# KiCad board panel.kicad_pcb
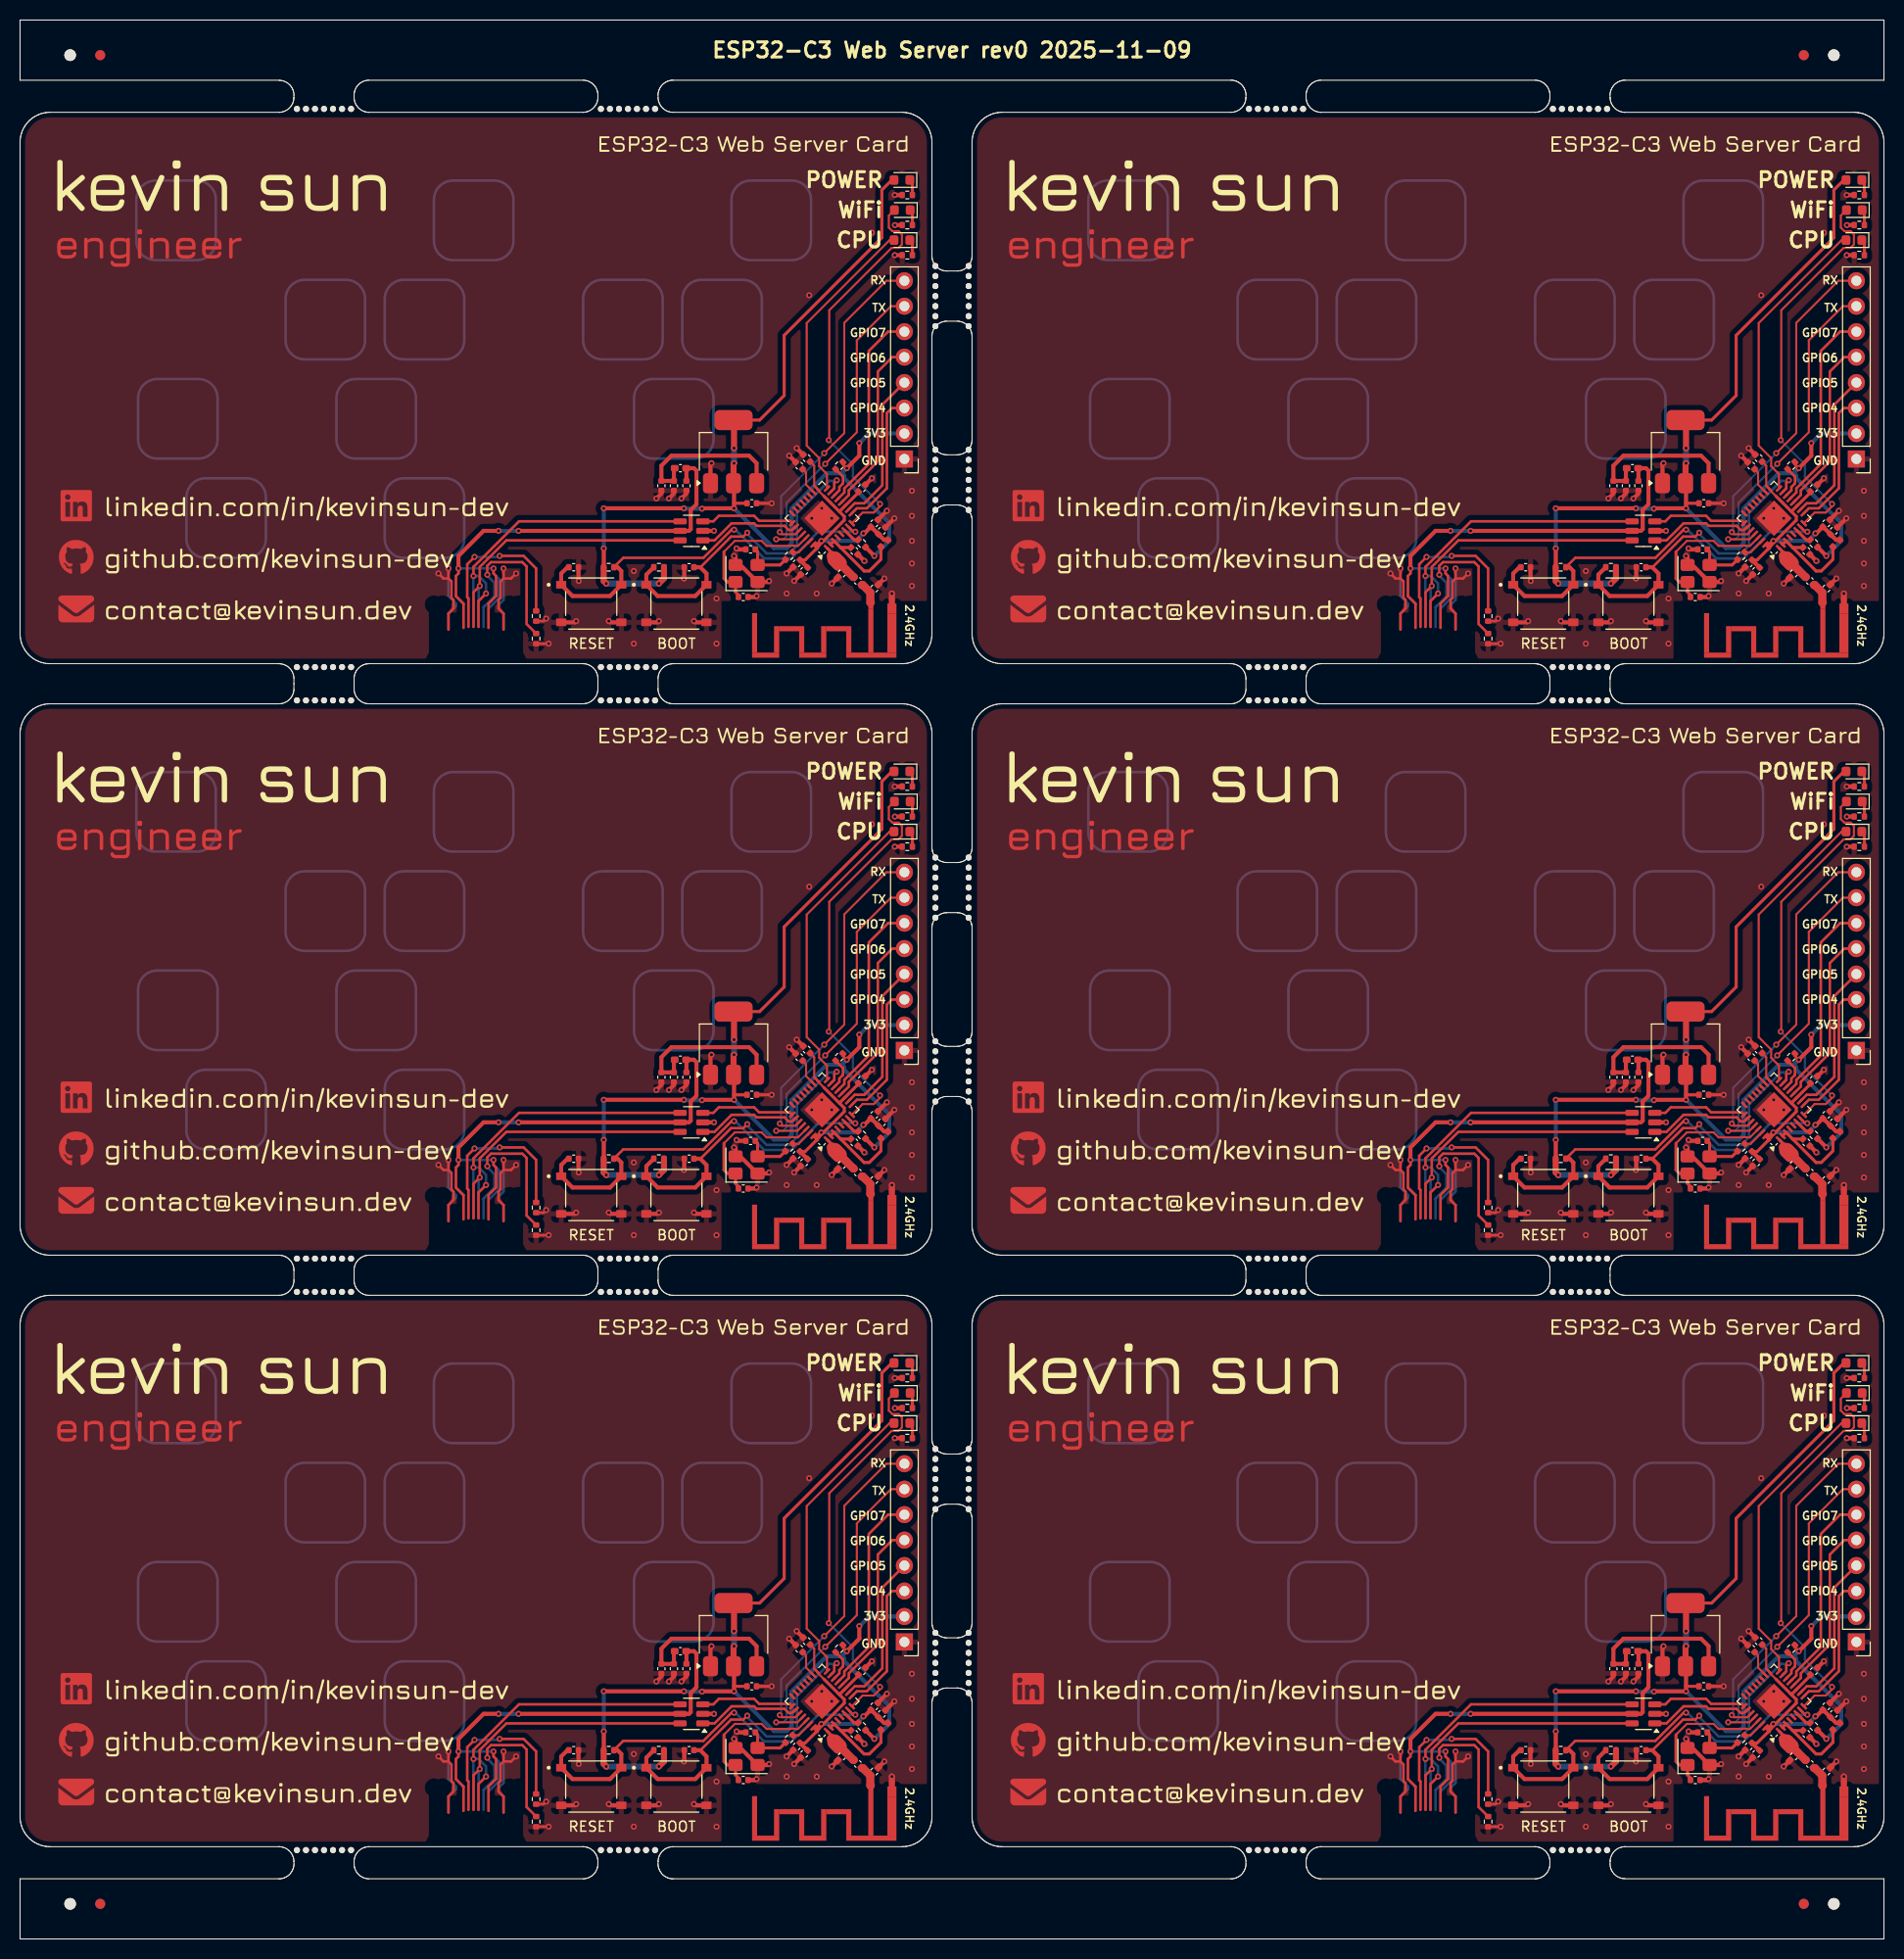
[diagram p0: board, top side]
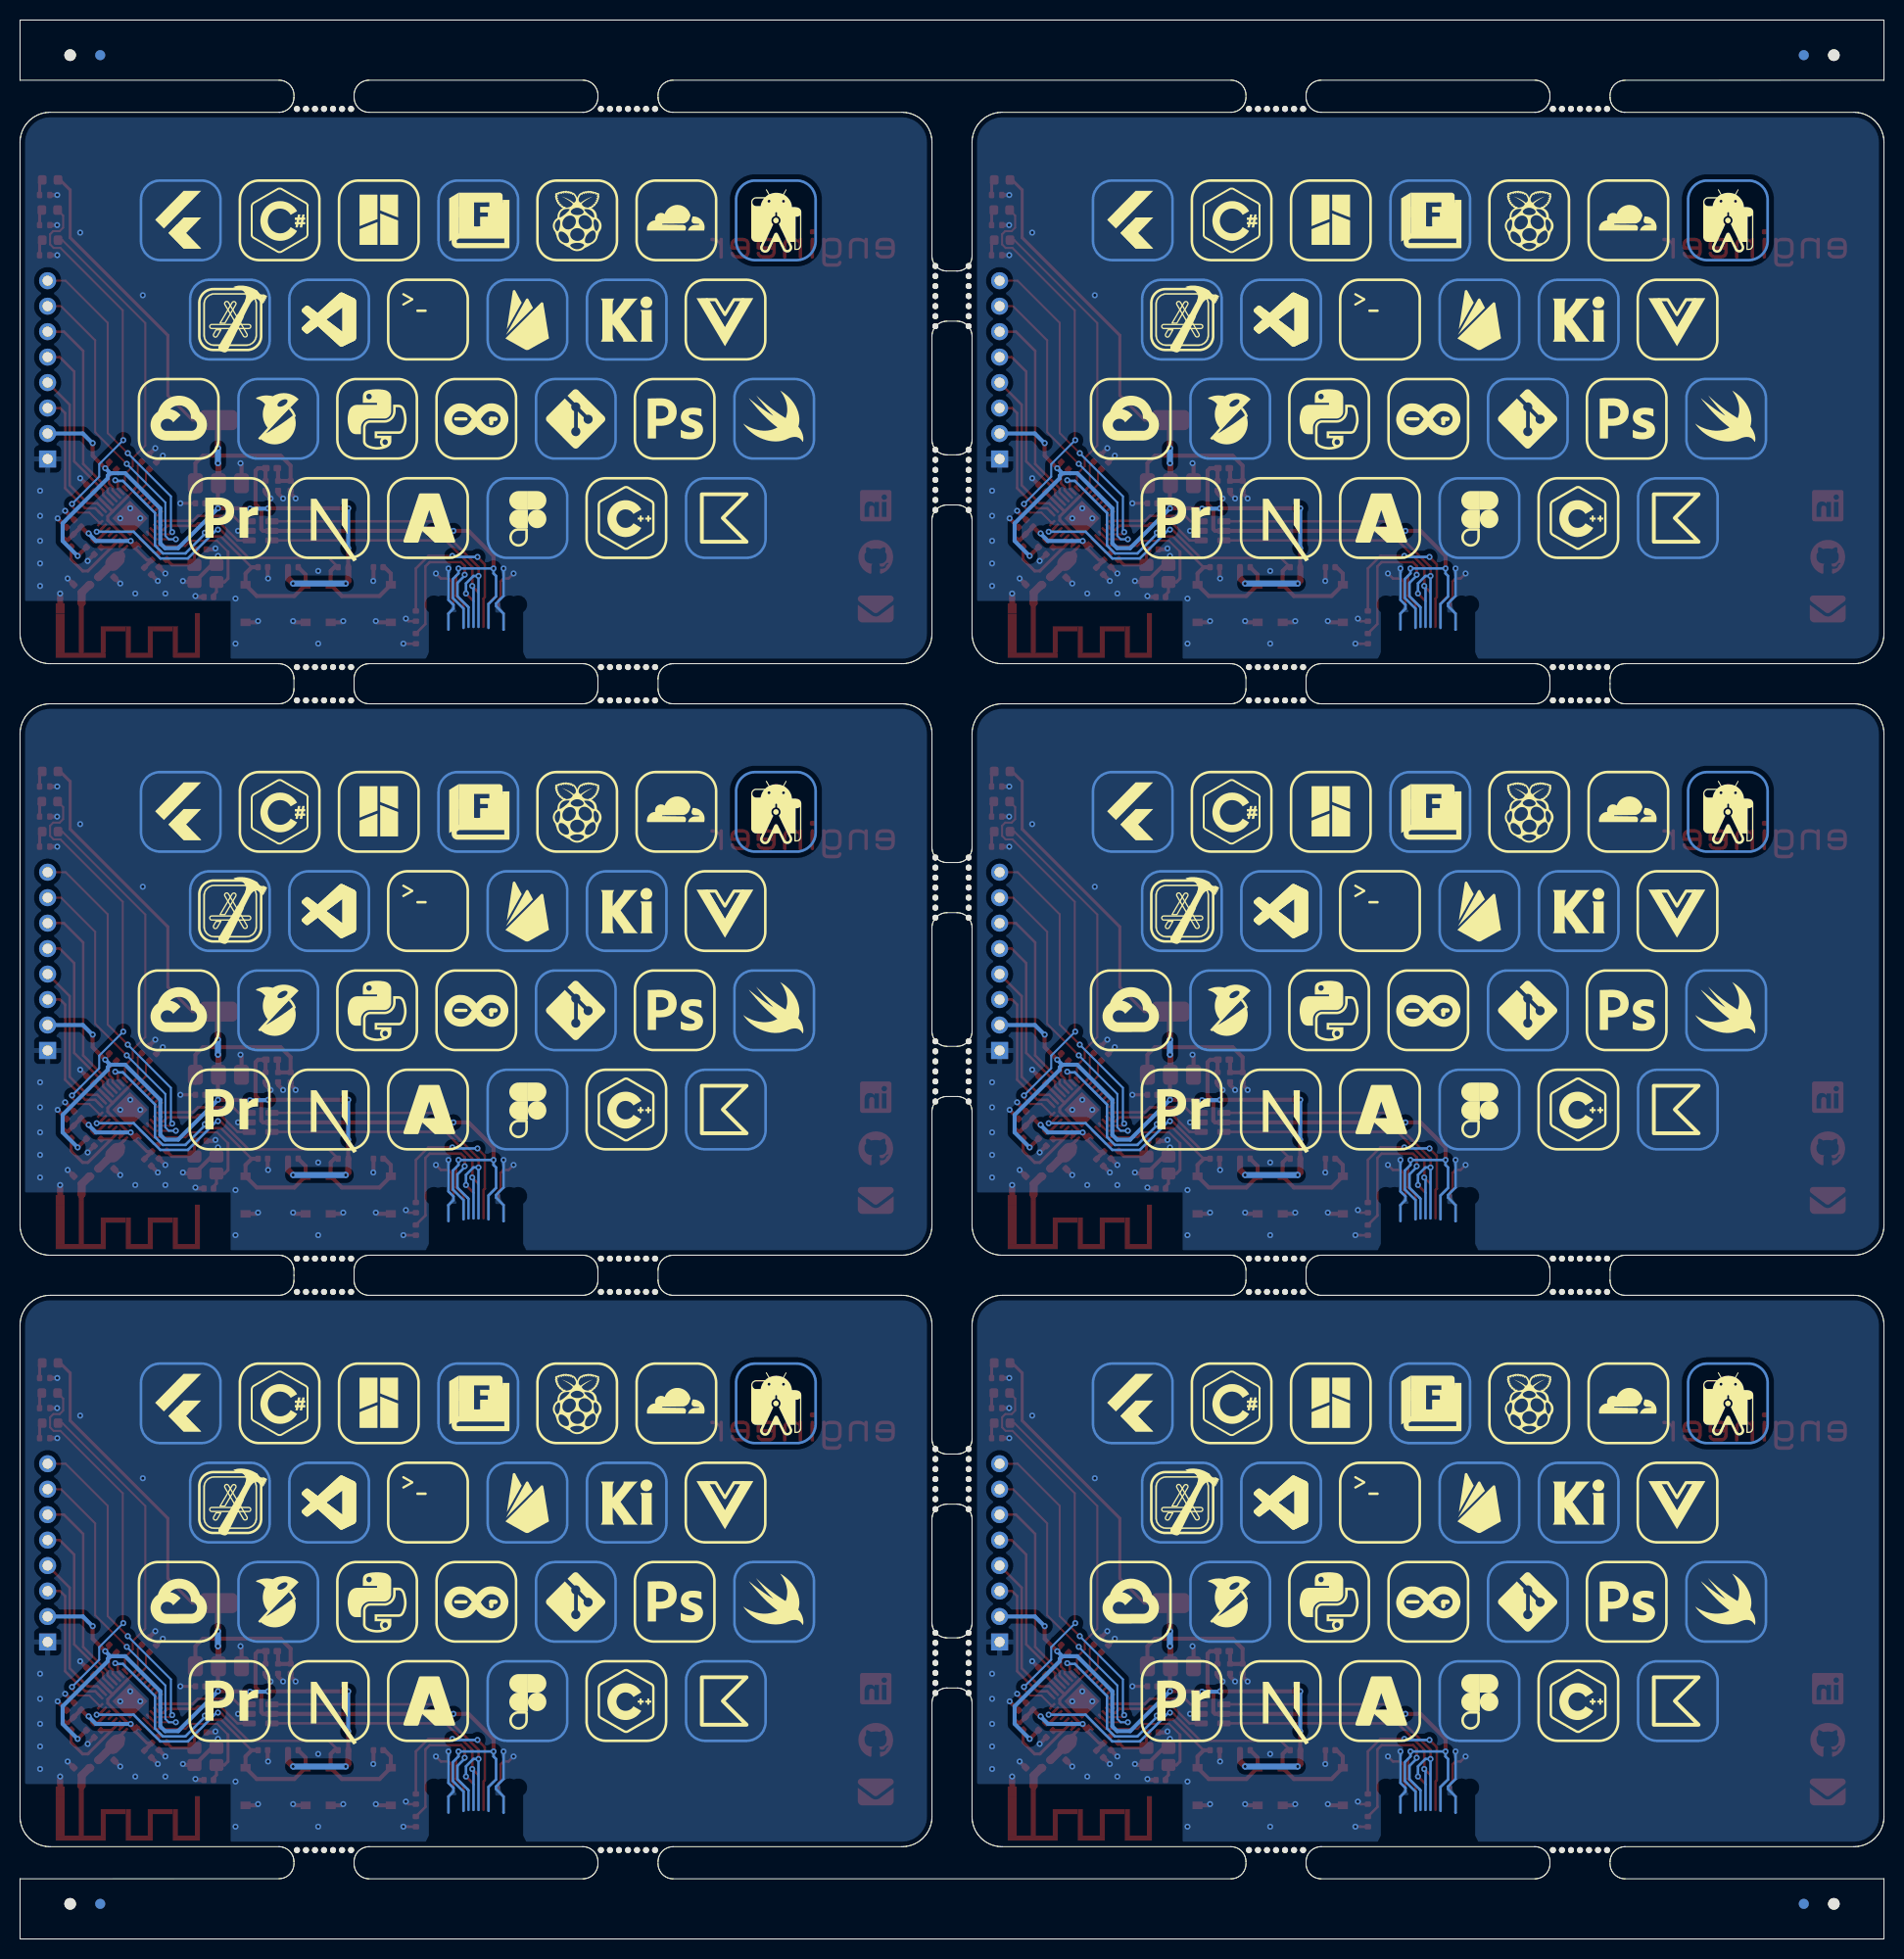
[diagram p1: board, bottom side, seen from below]

Outline 186 x 191.4 mm; copper layers: Top, Bottom. Coordinates in mm from the lower left corner of the outline.
Stack: Top 0.035mm / dielectric 0.8mm FR4 er 4.5 / Bottom 0.035mm

## Placement (name value [footprint] x y rotation side)
2.4GHz  PCB Antenna  [pcb-antenna]  182 132.95 180 top
2.4GHz#2  PCB Antenna  [pcb-antenna]  87 132.95 180 top
2.4GHz#3  PCB Antenna  [pcb-antenna]  87 73.95 180 top
2.4GHz#4  PCB Antenna  [pcb-antenna]  87 14.95 180 top
2.4GHz#5  PCB Antenna  [pcb-antenna]  182 73.95 180 top
2.4GHz#6  PCB Antenna  [pcb-antenna]  182 14.95 180 top
BOOT  BOOT  [SW_TS-1187A-B-A-B]  65.5 74.2 0 top
BOOT#2  BOOT  [SW_TS-1187A-B-A-B]  65.5 15.2 0 top
BOOT#3  BOOT  [SW_TS-1187A-B-A-B]  160.5 15.2 0 top
BOOT#4  BOOT  [SW_TS-1187A-B-A-B]  160.5 74.2 0 top
BOOT#5  BOOT  [SW_TS-1187A-B-A-B]  65.5 133.2 0 top
BOOT#6  BOOT  [SW_TS-1187A-B-A-B]  160.5 133.2 0 top
C1  100nF  [C_0402_1005Metric]  178.25 138.45 315 top
C1#2  100nF  [C_0402_1005Metric]  83.25 79.45 315 top
C1#3  100nF  [C_0402_1005Metric]  178.25 20.45 315 top
C1#4  100nF  [C_0402_1005Metric]  178.25 79.45 315 top
C1#5  100nF  [C_0402_1005Metric]  83.25 138.45 315 top
C1#6  100nF  [C_0402_1005Metric]  83.25 20.45 315 top
C2  100nF  [C_0402_1005Metric]  86 140.45 45 top
C2#2  100nF  [C_0402_1005Metric]  181 81.45 45 top
C2#3  100nF  [C_0402_1005Metric]  181 140.45 45 top
C2#4  100nF  [C_0402_1005Metric]  86 81.45 45 top
C2#5  100nF  [C_0402_1005Metric]  181 22.45 45 top
C2#6  100nF  [C_0402_1005Metric]  86 22.45 45 top
C3  10uF  [C_0402_1005Metric]  85.25 23.2 45 top
C3#2  10uF  [C_0402_1005Metric]  85.25 82.2 45 top
C3#3  10uF  [C_0402_1005Metric]  180.25 82.2 45 top
C3#4  10uF  [C_0402_1005Metric]  180.25 23.2 45 top
C3#5  10uF  [C_0402_1005Metric]  180.25 141.2 45 top
C3#6  10uF  [C_0402_1005Metric]  85.25 141.2 45 top
C4  1uF  [C_0402_1005Metric]  77.75 87.95 135 top
C4#2  1uF  [C_0402_1005Metric]  172.75 146.95 135 top
C4#3  1uF  [C_0402_1005Metric]  77.75 28.95 135 top
C4#4  1uF  [C_0402_1005Metric]  172.75 87.95 135 top
C4#5  1uF  [C_0402_1005Metric]  77.75 146.95 135 top
C4#6  1uF  [C_0402_1005Metric]  172.75 28.95 135 top
C5  100nF  [C_0402_1005Metric]  179 144.7 45 top
C5#2  100nF  [C_0402_1005Metric]  84 85.7 45 top
C5#3  100nF  [C_0402_1005Metric]  179 26.7 45 top
C5#4  100nF  [C_0402_1005Metric]  84 26.7 45 top
C5#5  100nF  [C_0402_1005Metric]  84 144.7 45 top
C5#6  100nF  [C_0402_1005Metric]  179 85.7 45 top
C6  100nF  [C_0402_1005Metric]  78.5 147.7 135 top
C6#2  100nF  [C_0402_1005Metric]  173.5 29.7 135 top
C6#3  100nF  [C_0402_1005Metric]  78.5 88.7 135 top
C6#4  100nF  [C_0402_1005Metric]  173.5 147.7 135 top
C6#5  100nF  [C_0402_1005Metric]  78.5 29.7 135 top
C6#6  100nF  [C_0402_1005Metric]  173.5 88.7 135 top
C7  1uF  [C_0402_1005Metric]  77.5 137.2 225 top
C7#2  1uF  [C_0402_1005Metric]  172.5 19.2 225 top
C7#3  1uF  [C_0402_1005Metric]  172.5 137.2 225 top
C7#4  1uF  [C_0402_1005Metric]  77.5 19.2 225 top
C7#5  1uF  [C_0402_1005Metric]  77.5 78.2 225 top
C7#6  1uF  [C_0402_1005Metric]  172.5 78.2 225 top
C8  10nF  [C_0402_1005Metric]  173.25 77.45 225 top
C8#2  10nF  [C_0402_1005Metric]  78.25 77.45 225 top
C8#3  10nF  [C_0402_1005Metric]  78.25 18.45 225 top
C8#4  10nF  [C_0402_1005Metric]  173.25 136.45 225 top
C8#5  10nF  [C_0402_1005Metric]  78.25 136.45 225 top
C8#6  10nF  [C_0402_1005Metric]  173.25 18.45 225 top
C9  12p  [C_0402_1005Metric]  167.17 74.85 0 top
C9#2  12p  [C_0402_1005Metric]  167.17 133.85 0 top
C9#3  12p  [C_0402_1005Metric]  167.17 15.85 0 top
C9#4  12p  [C_0402_1005Metric]  72.17 133.85 0 top
C9#5  12p  [C_0402_1005Metric]  72.17 74.85 0 top
C9#6  12p  [C_0402_1005Metric]  72.17 15.85 0 top
C10  12p  [C_0402_1005Metric]  72.9 138.6 180 top
C10#2  12p  [C_0402_1005Metric]  167.9 138.6 180 top
C10#3  12p  [C_0402_1005Metric]  72.9 20.6 180 top
C10#4  12p  [C_0402_1005Metric]  167.9 79.6 180 top
C10#5  12p  [C_0402_1005Metric]  72.9 79.6 180 top
C10#6  12p  [C_0402_1005Metric]  167.9 20.6 180 top
C11  1.5pF  [C_0402_1005Metric_Pad0.74x0.62mm_HandSolder]  180.25 16.7 45 top
C11#2  1.5pF  [C_0402_1005Metric_Pad0.74x0.62mm_HandSolder]  85.25 134.7 45 top
C11#3  1.5pF  [C_0402_1005Metric_Pad0.74x0.62mm_HandSolder]  85.25 16.7 45 top
C11#4  1.5pF  [C_0402_1005Metric_Pad0.74x0.62mm_HandSolder]  180.25 75.7 45 top
C11#5  1.5pF  [C_0402_1005Metric_Pad0.74x0.62mm_HandSolder]  85.25 75.7 45 top
C11#6  1.5pF  [C_0402_1005Metric_Pad0.74x0.62mm_HandSolder]  180.25 134.7 45 top
C12  1.5pF  [C_0402_1005Metric_Pad0.74x0.62mm_HandSolder]  82 18.2 225 top
C12#2  1.5pF  [C_0402_1005Metric_Pad0.74x0.62mm_HandSolder]  177 77.2 225 top
C12#3  1.5pF  [C_0402_1005Metric_Pad0.74x0.62mm_HandSolder]  177 136.2 225 top
C12#4  1.5pF  [C_0402_1005Metric_Pad0.74x0.62mm_HandSolder]  82 136.2 225 top
C12#5  1.5pF  [C_0402_1005Metric_Pad0.74x0.62mm_HandSolder]  82 77.2 225 top
C12#6  1.5pF  [C_0402_1005Metric_Pad0.74x0.62mm_HandSolder]  177 18.2 225 top
C13  100nF  [C_0402_1005Metric]  66.5 85.95 270 top
C13#2  100nF  [C_0402_1005Metric]  161.5 144.95 270 top
C13#3  100nF  [C_0402_1005Metric]  161.5 26.95 270 top
C13#4  100nF  [C_0402_1005Metric]  66.5 26.95 270 top
C13#5  100nF  [C_0402_1005Metric]  161.5 85.95 270 top
C13#6  100nF  [C_0402_1005Metric]  66.5 144.95 270 top
C14  100nF  [C_0402_1005Metric]  65.25 144.95 270 top
C14#2  100nF  [C_0402_1005Metric]  160.25 85.95 270 top
C14#3  100nF  [C_0402_1005Metric]  160.25 144.95 270 top
C14#4  100nF  [C_0402_1005Metric]  65.25 26.95 270 top
C14#5  100nF  [C_0402_1005Metric]  160.25 26.95 270 top
C14#6  100nF  [C_0402_1005Metric]  65.25 85.95 270 top
C15  10uF  [C_0402_1005Metric]  159 85.95 270 top
C15#2  10uF  [C_0402_1005Metric]  159 144.95 270 top
C15#3  10uF  [C_0402_1005Metric]  64 85.95 270 top
C15#4  10uF  [C_0402_1005Metric]  64 144.95 270 top
C15#5  10uF  [C_0402_1005Metric]  159 26.95 270 top
C15#6  10uF  [C_0402_1005Metric]  64 26.95 270 top
C16  10uF  [C_0402_1005Metric]  168.02 143.2 0 top
C16#2  10uF  [C_0402_1005Metric]  73.02 143.2 0 top
C16#3  10uF  [C_0402_1005Metric]  168.02 84.2 0 top
C16#4  10uF  [C_0402_1005Metric]  73.02 25.2 0 top
C16#5  10uF  [C_0402_1005Metric]  73.02 84.2 0 top
C16#6  10uF  [C_0402_1005Metric]  168.02 25.2 0 top
C17  100nF  [C_0402_1005Metric]  55.25 136.83 0 top
C17#2  100nF  [C_0402_1005Metric]  150.25 136.83 0 top
C17#3  100nF  [C_0402_1005Metric]  150.25 77.83 0 top
C17#4  100nF  [C_0402_1005Metric]  55.25 77.83 0 top
C17#5  100nF  [C_0402_1005Metric]  150.25 18.83 0 top
C17#6  100nF  [C_0402_1005Metric]  55.25 18.83 0 top
C18  100nF  [C_0402_1005Metric]  66.77 77.83 180 top
C18#2  100nF  [C_0402_1005Metric]  66.77 136.83 180 top
C18#3  100nF  [C_0402_1005Metric]  161.77 136.83 180 top
C18#4  100nF  [C_0402_1005Metric]  66.77 18.83 180 top
C18#5  100nF  [C_0402_1005Metric]  161.77 18.83 180 top
C18#6  100nF  [C_0402_1005Metric]  161.77 77.83 180 top
D1  PWR  [LED_0603_1608Metric]  183 116.45 180 top
D1#2  PWR  [LED_0603_1608Metric]  88 175.45 180 top
D1#3  PWR  [LED_0603_1608Metric]  183 175.45 180 top
D1#4  PWR  [LED_0603_1608Metric]  183 57.45 180 top
D1#5  PWR  [LED_0603_1608Metric]  88 57.45 180 top
D1#6  PWR  [LED_0603_1608Metric]  88 116.45 180 top
D2  WiFi  [LED_0603_1608Metric]  183.04 172.45 180 top
D2#2  WiFi  [LED_0603_1608Metric]  88.04 113.45 180 top
D2#3  WiFi  [LED_0603_1608Metric]  183.04 113.45 180 top
D2#4  WiFi  [LED_0603_1608Metric]  88.04 54.45 180 top
D2#5  WiFi  [LED_0603_1608Metric]  183.04 54.45 180 top
D2#6  WiFi  [LED_0603_1608Metric]  88.04 172.45 180 top
D3  CPU  [LED_0603_1608Metric]  183 169.45 180 top
D3#2  CPU  [LED_0603_1608Metric]  88 169.45 180 top
D3#3  CPU  [LED_0603_1608Metric]  88 51.45 180 top
D3#4  CPU  [LED_0603_1608Metric]  183 51.45 180 top
D3#5  CPU  [LED_0603_1608Metric]  88 110.45 180 top
D3#6  CPU  [LED_0603_1608Metric]  183 110.45 180 top
J2  GPIO Breakout  [PinHeader_1x08_P2.54mm_Vertical]  183.25 88.62 180 top
J2#2  GPIO Breakout  [PinHeader_1x08_P2.54mm_Vertical]  88.25 147.62 180 top
J2#3  GPIO Breakout  [PinHeader_1x08_P2.54mm_Vertical]  88.25 88.62 180 top
J2#4  GPIO Breakout  [PinHeader_1x08_P2.54mm_Vertical]  183.25 29.62 180 top
J2#5  GPIO Breakout  [PinHeader_1x08_P2.54mm_Vertical]  88.25 29.62 180 top
J2#6  GPIO Breakout  [PinHeader_1x08_P2.54mm_Vertical]  183.25 147.62 180 top
KiKit_FID_B_1  -  [Fiducial]  8 187.9 180 bottom
KiKit_FID_B_2  -  [Fiducial]  178 187.9 180 bottom
KiKit_FID_B_3  -  [Fiducial]  8 3.5 180 bottom
KiKit_FID_B_4  -  [Fiducial]  178 3.5 180 bottom
KiKit_FID_T_1  -  [Fiducial]  8 187.9 0 top
KiKit_FID_T_2  -  [Fiducial]  178 187.9 0 top
KiKit_FID_T_3  -  [Fiducial]  8 3.5 0 top
KiKit_FID_T_4  -  [Fiducial]  178 3.5 0 top
KiKit_MB_1_2  -  [NPTH]  91.34 166.87 0 top
KiKit_MB_1_3  -  [NPTH]  91.34 165.87 0 top
KiKit_MB_1_4  -  [NPTH]  91.34 164.87 0 top
KiKit_MB_1_5  -  [NPTH]  91.34 163.87 0 top
KiKit_MB_1_6  -  [NPTH]  91.34 162.87 0 top
KiKit_MB_1_7  -  [NPTH]  91.34 161.87 0 top
KiKit_MB_1_8  -  [NPTH]  91.34 160.87 0 top
KiKit_MB_2_2  -  [NPTH]  91.34 148.54 0 top
KiKit_MB_2_3  -  [NPTH]  91.34 147.54 0 top
KiKit_MB_2_4  -  [NPTH]  91.34 146.54 0 top
KiKit_MB_2_5  -  [NPTH]  91.34 145.54 0 top
KiKit_MB_2_6  -  [NPTH]  91.34 144.54 0 top
KiKit_MB_2_7  -  [NPTH]  91.34 143.53 0 top
KiKit_MB_2_8  -  [NPTH]  91.34 142.53 0 top
KiKit_MB_3_3  -  [NPTH]  27.63 182.54 0 top
KiKit_MB_3_4  -  [NPTH]  28.53 182.54 0 top
KiKit_MB_3_5  -  [NPTH]  29.43 182.54 0 top
KiKit_MB_3_6  -  [NPTH]  30.33 182.54 0 top
KiKit_MB_3_7  -  [NPTH]  31.23 182.54 0 top
KiKit_MB_3_8  -  [NPTH]  32.13 182.54 0 top
KiKit_MB_3_9  -  [NPTH]  33.03 182.54 0 top
KiKit_MB_4_3  -  [NPTH]  57.97 182.54 0 top
KiKit_MB_4_4  -  [NPTH]  58.87 182.54 0 top
KiKit_MB_4_5  -  [NPTH]  59.77 182.54 0 top
KiKit_MB_4_6  -  [NPTH]  60.67 182.54 0 top
KiKit_MB_4_7  -  [NPTH]  61.57 182.54 0 top
KiKit_MB_4_8  -  [NPTH]  62.47 182.54 0 top
KiKit_MB_4_9  -  [NPTH]  63.37 182.54 0 top
KiKit_MB_5_3  -  [NPTH]  33.03 126.86 0 top
KiKit_MB_5_4  -  [NPTH]  32.13 126.86 0 top
KiKit_MB_5_5  -  [NPTH]  31.23 126.86 0 top
KiKit_MB_5_6  -  [NPTH]  30.33 126.86 0 top
KiKit_MB_5_7  -  [NPTH]  29.43 126.86 0 top
KiKit_MB_5_8  -  [NPTH]  28.53 126.86 0 top
KiKit_MB_5_9  -  [NPTH]  27.63 126.86 0 top
KiKit_MB_6_3  -  [NPTH]  63.37 126.86 0 top
KiKit_MB_6_4  -  [NPTH]  62.47 126.86 0 top
KiKit_MB_6_5  -  [NPTH]  61.57 126.86 0 top
KiKit_MB_6_6  -  [NPTH]  60.67 126.86 0 top
KiKit_MB_6_7  -  [NPTH]  59.77 126.86 0 top
KiKit_MB_6_8  -  [NPTH]  58.87 126.86 0 top
KiKit_MB_6_9  -  [NPTH]  57.97 126.86 0 top
KiKit_MB_7_2  -  [NPTH]  94.66 160.87 0 top
KiKit_MB_7_3  -  [NPTH]  94.66 161.87 0 top
KiKit_MB_7_4  -  [NPTH]  94.66 162.87 0 top
KiKit_MB_7_5  -  [NPTH]  94.66 163.87 0 top
KiKit_MB_7_6  -  [NPTH]  94.66 164.87 0 top
KiKit_MB_7_7  -  [NPTH]  94.66 165.87 0 top
KiKit_MB_7_8  -  [NPTH]  94.66 166.87 0 top
KiKit_MB_8_2  -  [NPTH]  94.66 142.53 0 top
KiKit_MB_8_3  -  [NPTH]  94.66 143.53 0 top
KiKit_MB_8_4  -  [NPTH]  94.66 144.54 0 top
KiKit_MB_8_5  -  [NPTH]  94.66 145.54 0 top
KiKit_MB_8_6  -  [NPTH]  94.66 146.54 0 top
KiKit_MB_8_7  -  [NPTH]  94.66 147.54 0 top
KiKit_MB_8_8  -  [NPTH]  94.66 148.54 0 top
KiKit_MB_9_3  -  [NPTH]  122.63 182.54 0 top
KiKit_MB_9_4  -  [NPTH]  123.53 182.54 0 top
KiKit_MB_9_5  -  [NPTH]  124.43 182.54 0 top
KiKit_MB_9_6  -  [NPTH]  125.33 182.54 0 top
KiKit_MB_9_7  -  [NPTH]  126.23 182.54 0 top
KiKit_MB_9_8  -  [NPTH]  127.13 182.54 0 top
KiKit_MB_9_9  -  [NPTH]  128.03 182.54 0 top
KiKit_MB_10_3  -  [NPTH]  152.97 182.54 0 top
KiKit_MB_10_4  -  [NPTH]  153.87 182.54 0 top
KiKit_MB_10_5  -  [NPTH]  154.77 182.54 0 top
KiKit_MB_10_6  -  [NPTH]  155.67 182.54 0 top
KiKit_MB_10_7  -  [NPTH]  156.57 182.54 0 top
KiKit_MB_10_8  -  [NPTH]  157.47 182.54 0 top
KiKit_MB_10_9  -  [NPTH]  158.37 182.54 0 top
KiKit_MB_11_3  -  [NPTH]  128.03 126.86 0 top
KiKit_MB_11_4  -  [NPTH]  127.13 126.86 0 top
KiKit_MB_11_5  -  [NPTH]  126.23 126.86 0 top
KiKit_MB_11_6  -  [NPTH]  125.33 126.86 0 top
KiKit_MB_11_7  -  [NPTH]  124.43 126.86 0 top
KiKit_MB_11_8  -  [NPTH]  123.53 126.86 0 top
KiKit_MB_11_9  -  [NPTH]  122.63 126.86 0 top
KiKit_MB_12_3  -  [NPTH]  158.37 126.86 0 top
KiKit_MB_12_4  -  [NPTH]  157.47 126.86 0 top
KiKit_MB_12_5  -  [NPTH]  156.57 126.86 0 top
KiKit_MB_12_6  -  [NPTH]  155.67 126.86 0 top
KiKit_MB_12_7  -  [NPTH]  154.77 126.86 0 top
KiKit_MB_12_8  -  [NPTH]  153.87 126.86 0 top
KiKit_MB_12_9  -  [NPTH]  152.97 126.86 0 top
KiKit_MB_13_2  -  [NPTH]  91.34 107.87 0 top
KiKit_MB_13_3  -  [NPTH]  91.34 106.87 0 top
KiKit_MB_13_4  -  [NPTH]  91.34 105.87 0 top
KiKit_MB_13_5  -  [NPTH]  91.34 104.87 0 top
KiKit_MB_13_6  -  [NPTH]  91.34 103.87 0 top
KiKit_MB_13_7  -  [NPTH]  91.34 102.87 0 top
KiKit_MB_13_8  -  [NPTH]  91.34 101.87 0 top
KiKit_MB_14_2  -  [NPTH]  91.34 89.54 0 top
KiKit_MB_14_3  -  [NPTH]  91.34 88.54 0 top
KiKit_MB_14_4  -  [NPTH]  91.34 87.54 0 top
KiKit_MB_14_5  -  [NPTH]  91.34 86.54 0 top
KiKit_MB_14_6  -  [NPTH]  91.34 85.54 0 top
KiKit_MB_14_7  -  [NPTH]  91.34 84.53 0 top
KiKit_MB_14_8  -  [NPTH]  91.34 83.53 0 top
KiKit_MB_15_3  -  [NPTH]  27.63 123.54 0 top
KiKit_MB_15_4  -  [NPTH]  28.53 123.54 0 top
KiKit_MB_15_5  -  [NPTH]  29.43 123.54 0 top
KiKit_MB_15_6  -  [NPTH]  30.33 123.54 0 top
KiKit_MB_15_7  -  [NPTH]  31.23 123.54 0 top
KiKit_MB_15_8  -  [NPTH]  32.13 123.54 0 top
KiKit_MB_15_9  -  [NPTH]  33.03 123.54 0 top
KiKit_MB_16_3  -  [NPTH]  57.97 123.54 0 top
KiKit_MB_16_4  -  [NPTH]  58.87 123.54 0 top
KiKit_MB_16_5  -  [NPTH]  59.77 123.54 0 top
KiKit_MB_16_6  -  [NPTH]  60.67 123.54 0 top
KiKit_MB_16_7  -  [NPTH]  61.57 123.54 0 top
KiKit_MB_16_8  -  [NPTH]  62.47 123.54 0 top
KiKit_MB_16_9  -  [NPTH]  63.37 123.54 0 top
KiKit_MB_17_3  -  [NPTH]  33.03 67.86 0 top
KiKit_MB_17_4  -  [NPTH]  32.13 67.86 0 top
KiKit_MB_17_5  -  [NPTH]  31.23 67.86 0 top
KiKit_MB_17_6  -  [NPTH]  30.33 67.86 0 top
KiKit_MB_17_7  -  [NPTH]  29.43 67.86 0 top
KiKit_MB_17_8  -  [NPTH]  28.53 67.86 0 top
KiKit_MB_17_9  -  [NPTH]  27.63 67.86 0 top
KiKit_MB_18_3  -  [NPTH]  63.37 67.86 0 top
KiKit_MB_18_4  -  [NPTH]  62.47 67.86 0 top
KiKit_MB_18_5  -  [NPTH]  61.57 67.86 0 top
KiKit_MB_18_6  -  [NPTH]  60.67 67.86 0 top
KiKit_MB_18_7  -  [NPTH]  59.77 67.86 0 top
KiKit_MB_18_8  -  [NPTH]  58.87 67.86 0 top
KiKit_MB_18_9  -  [NPTH]  57.97 67.86 0 top
KiKit_MB_19_2  -  [NPTH]  94.66 101.87 0 top
KiKit_MB_19_3  -  [NPTH]  94.66 102.87 0 top
KiKit_MB_19_4  -  [NPTH]  94.66 103.87 0 top
KiKit_MB_19_5  -  [NPTH]  94.66 104.87 0 top
KiKit_MB_19_6  -  [NPTH]  94.66 105.87 0 top
KiKit_MB_19_7  -  [NPTH]  94.66 106.87 0 top
KiKit_MB_19_8  -  [NPTH]  94.66 107.87 0 top
KiKit_MB_20_2  -  [NPTH]  94.66 83.53 0 top
KiKit_MB_20_3  -  [NPTH]  94.66 84.53 0 top
KiKit_MB_20_4  -  [NPTH]  94.66 85.54 0 top
KiKit_MB_20_5  -  [NPTH]  94.66 86.54 0 top
KiKit_MB_20_6  -  [NPTH]  94.66 87.54 0 top
KiKit_MB_20_7  -  [NPTH]  94.66 88.54 0 top
KiKit_MB_20_8  -  [NPTH]  94.66 89.54 0 top
KiKit_MB_21_3  -  [NPTH]  122.63 123.54 0 top
KiKit_MB_21_4  -  [NPTH]  123.53 123.54 0 top
KiKit_MB_21_5  -  [NPTH]  124.43 123.54 0 top
KiKit_MB_21_6  -  [NPTH]  125.33 123.54 0 top
KiKit_MB_21_7  -  [NPTH]  126.23 123.54 0 top
KiKit_MB_21_8  -  [NPTH]  127.13 123.54 0 top
KiKit_MB_21_9  -  [NPTH]  128.03 123.54 0 top
KiKit_MB_22_3  -  [NPTH]  152.97 123.54 0 top
KiKit_MB_22_4  -  [NPTH]  153.87 123.54 0 top
KiKit_MB_22_5  -  [NPTH]  154.77 123.54 0 top
KiKit_MB_22_6  -  [NPTH]  155.67 123.54 0 top
KiKit_MB_22_7  -  [NPTH]  156.57 123.54 0 top
KiKit_MB_22_8  -  [NPTH]  157.47 123.54 0 top
KiKit_MB_22_9  -  [NPTH]  158.37 123.54 0 top
KiKit_MB_23_3  -  [NPTH]  128.03 67.86 0 top
KiKit_MB_23_4  -  [NPTH]  127.13 67.86 0 top
KiKit_MB_23_5  -  [NPTH]  126.23 67.86 0 top
KiKit_MB_23_6  -  [NPTH]  125.33 67.86 0 top
KiKit_MB_23_7  -  [NPTH]  124.43 67.86 0 top
KiKit_MB_23_8  -  [NPTH]  123.53 67.86 0 top
KiKit_MB_23_9  -  [NPTH]  122.63 67.86 0 top
KiKit_MB_24_3  -  [NPTH]  158.37 67.86 0 top
KiKit_MB_24_4  -  [NPTH]  157.47 67.86 0 top
KiKit_MB_24_5  -  [NPTH]  156.57 67.86 0 top
KiKit_MB_24_6  -  [NPTH]  155.67 67.86 0 top
KiKit_MB_24_7  -  [NPTH]  154.77 67.86 0 top
KiKit_MB_24_8  -  [NPTH]  153.87 67.86 0 top
KiKit_MB_24_9  -  [NPTH]  152.97 67.86 0 top
KiKit_MB_25_2  -  [NPTH]  91.34 48.87 0 top
KiKit_MB_25_3  -  [NPTH]  91.34 47.87 0 top
KiKit_MB_25_4  -  [NPTH]  91.34 46.87 0 top
KiKit_MB_25_5  -  [NPTH]  91.34 45.87 0 top
KiKit_MB_25_6  -  [NPTH]  91.34 44.87 0 top
KiKit_MB_25_7  -  [NPTH]  91.34 43.87 0 top
KiKit_MB_25_8  -  [NPTH]  91.34 42.87 0 top
KiKit_MB_26_2  -  [NPTH]  91.34 30.54 0 top
KiKit_MB_26_3  -  [NPTH]  91.34 29.54 0 top
KiKit_MB_26_4  -  [NPTH]  91.34 28.54 0 top
KiKit_MB_26_5  -  [NPTH]  91.34 27.54 0 top
KiKit_MB_26_6  -  [NPTH]  91.34 26.54 0 top
KiKit_MB_26_7  -  [NPTH]  91.34 25.53 0 top
KiKit_MB_26_8  -  [NPTH]  91.34 24.53 0 top
KiKit_MB_27_3  -  [NPTH]  27.63 64.54 0 top
KiKit_MB_27_4  -  [NPTH]  28.53 64.54 0 top
KiKit_MB_27_5  -  [NPTH]  29.43 64.54 0 top
KiKit_MB_27_6  -  [NPTH]  30.33 64.54 0 top
KiKit_MB_27_7  -  [NPTH]  31.23 64.54 0 top
KiKit_MB_27_8  -  [NPTH]  32.13 64.54 0 top
KiKit_MB_27_9  -  [NPTH]  33.03 64.54 0 top
KiKit_MB_28_3  -  [NPTH]  57.97 64.54 0 top
KiKit_MB_28_4  -  [NPTH]  58.87 64.54 0 top
KiKit_MB_28_5  -  [NPTH]  59.77 64.54 0 top
KiKit_MB_28_6  -  [NPTH]  60.67 64.54 0 top
KiKit_MB_28_7  -  [NPTH]  61.57 64.54 0 top
KiKit_MB_28_8  -  [NPTH]  62.47 64.54 0 top
KiKit_MB_28_9  -  [NPTH]  63.37 64.54 0 top
KiKit_MB_29_3  -  [NPTH]  33.03 8.86 0 top
KiKit_MB_29_4  -  [NPTH]  32.13 8.86 0 top
KiKit_MB_29_5  -  [NPTH]  31.23 8.86 0 top
KiKit_MB_29_6  -  [NPTH]  30.33 8.86 0 top
KiKit_MB_29_7  -  [NPTH]  29.43 8.86 0 top
KiKit_MB_29_8  -  [NPTH]  28.53 8.86 0 top
KiKit_MB_29_9  -  [NPTH]  27.63 8.86 0 top
KiKit_MB_30_3  -  [NPTH]  63.37 8.86 0 top
KiKit_MB_30_4  -  [NPTH]  62.47 8.86 0 top
KiKit_MB_30_5  -  [NPTH]  61.57 8.86 0 top
KiKit_MB_30_6  -  [NPTH]  60.67 8.86 0 top
KiKit_MB_30_7  -  [NPTH]  59.77 8.86 0 top
KiKit_MB_30_8  -  [NPTH]  58.87 8.86 0 top
KiKit_MB_30_9  -  [NPTH]  57.97 8.86 0 top
KiKit_MB_31_2  -  [NPTH]  94.66 42.87 0 top
KiKit_MB_31_3  -  [NPTH]  94.66 43.87 0 top
KiKit_MB_31_4  -  [NPTH]  94.66 44.87 0 top
KiKit_MB_31_5  -  [NPTH]  94.66 45.87 0 top
KiKit_MB_31_6  -  [NPTH]  94.66 46.87 0 top